# Altium PCB LimeSDR-Micro_1v1.PcbDoc (part 2 of 9) (continued)
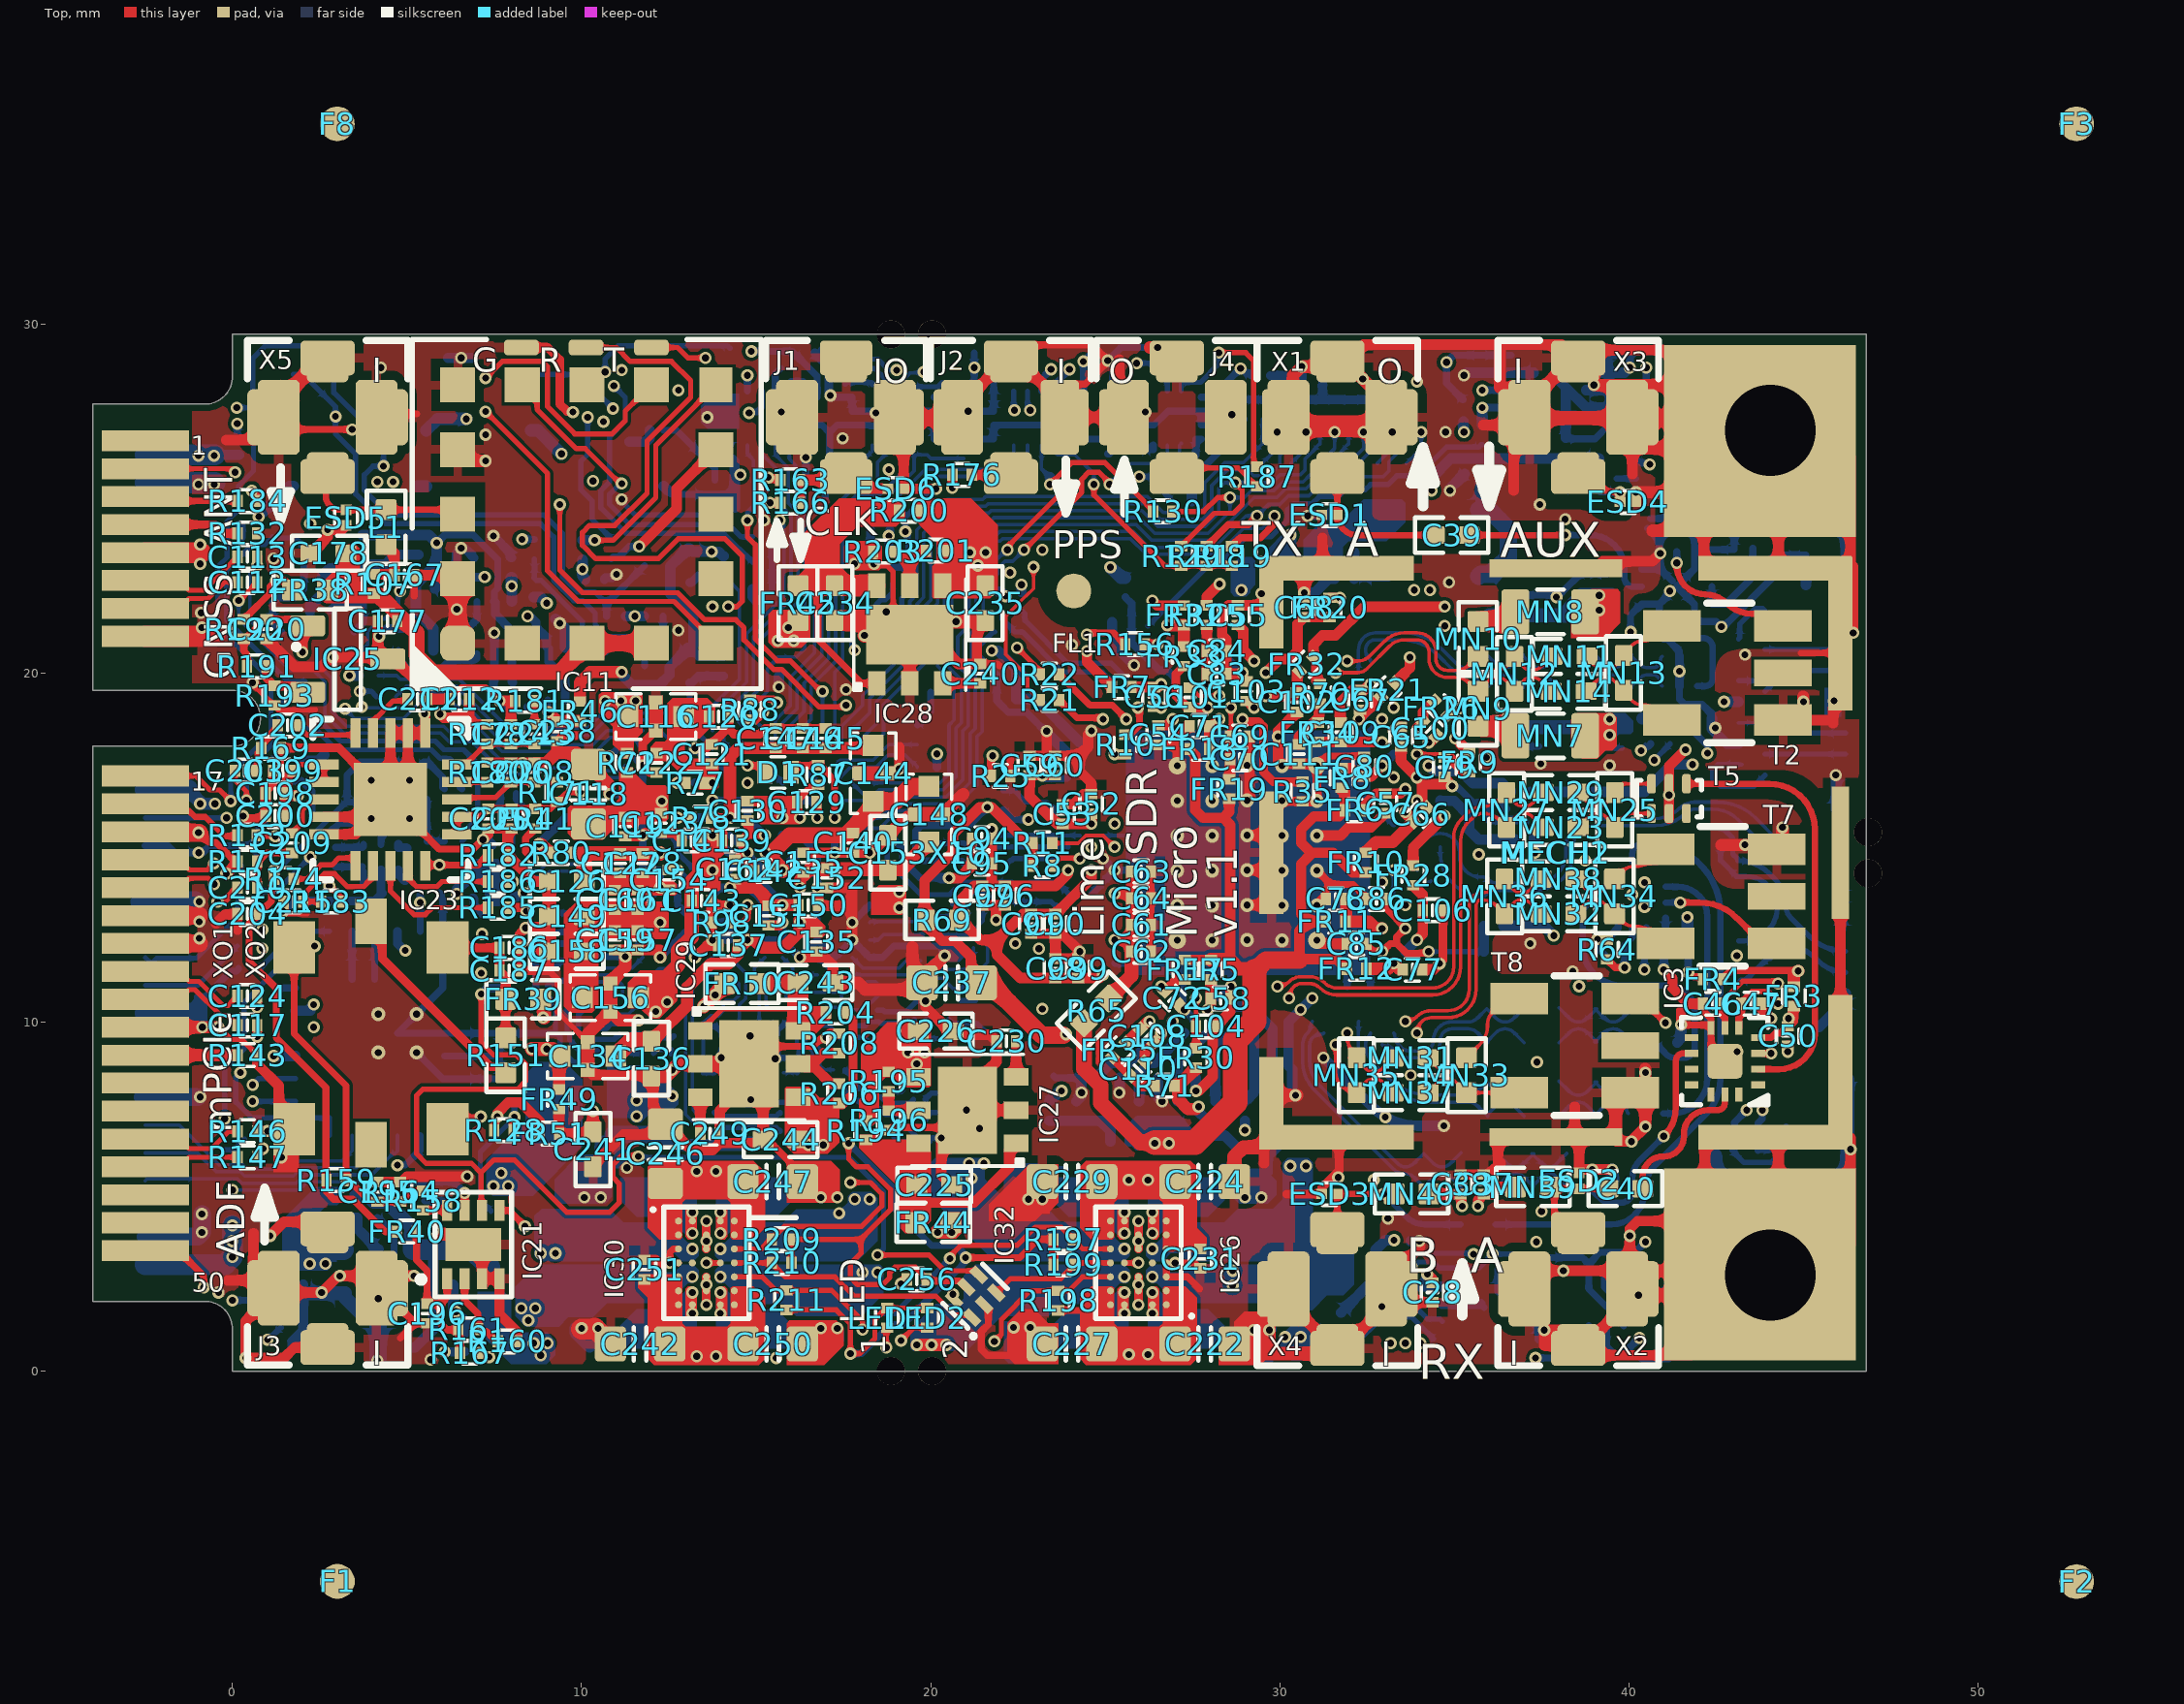
[diagram p0: Top view]
## Footprints (in the part's own frame and the unit in brackets; to place one, negate y for a bottom-side part, rotate by r counter-clockwise, add the part's x,y. Pads: shape width x height; smd on the part's side, far side on the other; paste and mask are expansions set on the pad) (continued)
  silkscreen extent -2.3,-2.2 2.3,-1.1, body extent -1.5,-1.55 1.5,1.55, height 1.25
MMCX_UFL_conn_u_v2#4 [mm] "Less silkscreen"
  rrect25% 1.55x1 smd mask+0.05: 1(0,1.7) 2(0,-1.7)
  rrect25% 1.2x1.2 smd mask+0.05: 1(0,1.6) 2(0,-1.6)
  rrect25% 0.6x1.6 smd mask+0.05: 2(-1.7,0)
  rrect25% 1.2x2.15 smd mask+0.05: 2(-1.4,0) 2(1.4,0)
  rrect25% 1.05x1.6 smd mask+0.05: 2(1.7,0)
  silkscreen extent -2.3,-2.2 2.3,-1.1, body extent -1.5,-1.55 1.5,1.55, height 1.25
MMCX_UFL_conn_u_v2#5 [mm] "Less silkscreen"
  rrect25% 1.55x1 smd mask+0.05: 1(0,1.7) 2(0,-1.7)
  rrect25% 1.2x1.2 smd mask+0.05: 1(0,1.6) 2(0,-1.6)
  rrect25% 1.2x1.6 smd mask+0.05: 2(-1.7,0)
  rrect25% 1.2x2.15 smd mask+0.05: 2(-1.4,0) 2(1.4,0)
  rrect25% 0.9x1.6 smd mask+0.05: 2(1.7,0)
  silkscreen extent -2.3,-2.2 2.3,-1.1, body extent -1.5,-1.55 1.5,1.55, height 1.25
Molex_0788641001_spring_contacts [mm]
  rrect50% 1.3x1.85 smd paste-5: 1(-1.6,1.9) 2(0,1.9) 3(1.6,1.9) 4(1.6,-1.9) 5(0,-1.9) 6(-1.6,-1.9)
  silkscreen extent -2.5,-3.1 2.5,3.1, body extent -2.4,-2.48 2.4,2.52, height 2
MOLEX_0788641001_SPRING_CONTACTS [mm]
  rrect50% 1.3x1.85 smd paste-5: 1(-1.6,1.9) 2(0,1.9) 3(1.6,1.9) 4(1.6,-1.9) 5(0,-1.9) 6(-1.6,-1.9)
  silkscreen extent -2.5,-3.1 2.5,3.1, body extent -2.4,-2.48 2.4,2.52, height 2
PCIe_MiniCard [mm]
  rect 5.5x5.5 hole 2.6 copper offset 0.3,-0.3 paste-2 mask+0: 0(-8.25,48.05)
  rect 5.5x5.5 hole 2.6 copper offset -0.3,-0.3 paste-2 mask+0: 0(15.95,48.05)
  rect 0.6x2.5 smd paste-2: 1(-7.95,1.5) 3(-7.15,1.5) 5(-6.35,1.5) 7(-5.55,1.5) 9(-4.75,1.5) 11(-3.95,1.5) 13(-3.15,1.5) 15(-2.35,1.5) 17(1.65,1.5) 19(2.45,1.5) 21(3.25,1.5) 23(4.05,1.5) 25(4.85,1.5) 27(5.65,1.5) 29(6.45,1.5) 31(7.25,1.5) 33(8.05,1.5) 35(8.85,1.5) 37(9.65,1.5) 39(10.45,1.5) 41(11.25,1.5) 43(12.05,1.5) 45(12.85,1.5) 47(13.65,1.5) 49(14.45,1.5) 51(15.25,1.5)
  rect 0.6x2.5 smd far side paste-2: 2(-7.55,1.5) 4(-6.75,1.5) 6(-5.95,1.5) 8(-5.15,1.5) 10(-4.35,1.5) 12(-3.55,1.5) 14(-2.75,1.5) 16(-1.95,1.5) 18(2.05,1.5) 20(2.85,1.5) 22(3.65,1.5) 24(4.45,1.5) 26(5.25,1.5) 28(6.05,1.5) 30(6.85,1.5) 32(7.65,1.5) 34(8.45,1.5) 36(9.25,1.5) 38(10.05,1.5) 40(10.85,1.5) 42(11.65,1.5) 44(12.45,1.5) 46(13.25,1.5) 48(14.05,1.5) 50(14.85,1.5) 52(15.65,1.5)
RAKON_RPT7050A [mm] "Rakon's Pluto+ ASIC"
  rect 1.5x1.2 smd: 1(2.45,2.2) 2(-2.75,2.2) 4(-2.75,-2.2) 5(2.45,-2.2)
  rect 1.3x0.9 smd: 3(-3.2,0) 6(3.2,0)
  body extent 4.15,1.8 4.25,1.9, height 0.1
RAKON_TXCO [mm] "30.72 MHz or 61.44 MHz"
  rect 1.5x1.2 smd: 1(2.45,2.2) 2(-2.75,2.2) 3(-2.75,-2.2) 4(2.45,-2.2)
  body extent -3.5,-2.3 3.2,2.3, height 2.4
RB521S-30L2-TP_DFN1006 [mm]
  rect 0.44x0.65 smd mask+0.05: A(-0.375,0) C(0.375,0)
  silkscreen extent -0.2,-0.45 0.2,0.45, body extent -0.5,-0.3 0.5,0.3, height 0.48
RES0201 [mm]
  rect 0.3x0.35 smd mask+0.05: 1(-0.28,0) 2(0.28,0)
  silkscreen extent -0.2,-0.33 0.2,0.33, body extent -0.3,-0.15 0.3,0.15, height 0.25
RES0402#1 [mm] "Chip Resistor, Body 1.0x0.5mm, EIA 0402, IPC Medium Density"
  round 0.2 on Mech15: 0(0,0)
  rrect20% 0.6x0.6 smd: 1(-0.5,0) 2(0.5,0)
  Top pour cut-out: -0.2,0.35 0.2,0.35 0.2,-0.35 -0.2,-0.35
  silkscreen extent -1.05,-0.55 1.05,0.55, body extent -0.52,-0.27 0.53,0.28, height 0.4
RES0402#2 [mm] "Chip Resistor, Body 1.0x0.5mm, EIA 0402, IPC Medium Density"
  round 0.2 on Mech14: 0(0,0)
  rrect20% 0.6x0.6 smd: 1(-0.5,0) 2(0.5,0)
  Top pour cut-out: -0.2,0.35 0.2,0.35 0.2,-0.35 -0.2,-0.35
  silkscreen extent -1.05,-0.55 1.05,0.55, body extent -0.52,-0.27 0.53,0.28, height 0.4
RES0805#1 [mm] "Chip Resistor, Body 2.0x1.2mm, 0805, IPC Medium Density"
  round 0.254 on Mech14: 0(0,0)
  rrect25% 0.8x1.3 smd: 1(-1,0) 2(1,0)
  Top pour cut-out: -0.6,0.75 0.6,0.75 0.6,-0.75 -0.6,-0.75
  silkscreen extent -0.38,-0.64 0.38,0.64, body extent -1.1,-0.67 1.1,0.68, height 0.69
RES0805#2 [mm] "Chip Resistor, Body 2.0x1.2mm, 0805, IPC Medium Density"
  round 0.254 on Mech15: 0(0,0)
  rrect25% 0.8x1.3 smd: 1(-1,0) 2(1,0)
  Top pour cut-out: -0.6,0.75 0.6,0.75 0.6,-0.75 -0.6,-0.75
  silkscreen extent -0.38,-0.64 0.38,0.64, body extent -1.1,-0.67 1.1,0.68, height 0.69
RES01005 [mm]
  rect 0.15x0.215 smd paste+0 mask+0.03: 1(-0.165,0) 2(0.165,0)
  silkscreen extent -0.13,-0.23 0.13,0.23, body extent -0.2,-0.1 0.2,0.1, height 0.14
SKY13330-397LF_RF_SW_QFN12 [mm]
  rrect30% 0.45x0.2 smd mask+0.05: 1(-1,0.5) 2(-1,0) 3(-1,-0.5) 7(1,-0.5) 8(1,0) 9(1,0.5)
  rrect30% 0.2x0.45 smd mask+0.05: 4(-0.5,-1) 5(0,-1) 6(0.5,-1) 10(0.5,1) 11(0,1) 12(-0.5,1)
  rrect30% 0.8x0.8 smd mask+0.05: EP(0,0)
  silkscreen extent -1.2,-1.2 1.2,1.2, body extent -1,-1 1,1, height 0.56
SKY13414-485LF_RF_SW_QFN14 [mm]
  rect 0.395x0.2 smd paste+0 mask+0.05: 1(-0.953,0.675) 2(-0.953,0.225) 3(-0.953,-0.225) 4(-0.953,-0.675) 8(0.953,-0.675) 9(0.953,-0.225) 10(0.953,0.225) 11(0.953,0.675)
  rect 0.2x0.395 smd paste+0 mask+0.05: 5(-0.4,-0.953) 6(0,-0.953) 7(0.4,-0.953) 12(0.4,0.953) 13(0,0.953) 14(-0.4,0.953)
  rrect30% 1x1 smd paste+0 mask+0.05: EP(0,0)
  silkscreen extent -1.24,-1.25 1.24,1.25, body extent -1.25,-1.25 1.25,1.25, height 0.25
SN74AVC1T45DRLR_SOT-5X3 [mm]
  rrect33% 0.7x0.3 smd mask+0.05: 1(-0.75,0.5) 2(-0.75,0) 3(-0.75,-0.5) 4(0.75,-0.5) 5(0.75,0) 6(0.75,0.5)
  silkscreen extent -0.82,-0.85 0.2,0.92, body extent -0.82,-0.8 0.78,0.8, height 0.6
SN74AVC4T774_v1 [mm] "PQFN, 16-Leads, Body 2,60x1,80mm, Pitch 0,40mm, IPC Medium Density"
  rect 0.2x0.75 smd mask+0.05: 1(-0.6,-0.725)
  rect 0.2x0.65 smd mask+0.05: 2(-0.2,-0.775) 3(0.2,-0.775) 4(0.6,-0.775) 9(0.6,0.775) 10(0.2,0.775) 11(-0.2,0.775) 12(-0.6,0.775)
  rect 0.65x0.2 smd mask+0.05: 5(1.175,-0.6) 6(1.175,-0.2) 7(1.175,0.2) 8(1.175,0.6) 13(-1.175,0.6) 14(-1.175,0.2) 15(-1.175,-0.2) 16(-1.175,-0.6)
  silkscreen extent -1.53,-1.2 1.53,1.2, body extent -1.33,-0.93 1.32,0.92, height 0.55
SOT23-3_v3 [mm] "SOT23, 3 pin"
  round 0.5 on Mech15: 0(0,0)
  rrect25% 1x0.6 smd: 1(-1.15,0.95) 2(-1.15,-0.95) 3(1.15,0)
  silkscreen extent -1.5,-1.45 0.38,1.45, body extent -1.4,-1.45 1.4,1.45, height 1.29
SOT23-5_NO_SILK [mm]
  round 0.5 on Mech14: 0(0,0)
  rrect25% 1x0.6 smd: 1(-1.3,0.95) 2(-1.3,0) 3(-1.3,-0.95) 4(1.3,-0.95) 5(1.3,0.95)
  silkscreen extent -1.35,1.52 -1.24,1.64, body extent -1.4,-1.45 1.4,1.45, height 1.44
SOT523 [mm]
  rrect25% 0.6x0.5 smd: D(0.645,0) G(-0.645,0.49) S(-0.645,-0.49)
  silkscreen extent -1.2,-1 1.2,1.5, body extent -0.8,-0.8 0.8,0.8, height 0.8
TC1-1-13MA+_JA4220-AL_ [mm] "Balun compatible with TC1-1-13MA+ and JA4220-AL_"
  rect 0.9x1.65 smd: 1(-1.345,1.59) 3(1.345,1.59) 4(1.345,-1.59) 6(-1.345,-1.59)
  rect 0.76x1.65 smd: 2(0,1.59)
  silkscreen extent -2,-0.6 2,0.7, body extent -1.27,-1.61 1.28,1.61, height 2.8
TMP1075NDRLR_TEMPERATURE_SENSOR_SOT563 [mm]
  rrect50% 0.7x0.3 smd mask+0.05: 1(-0.75,0.5) 2(-0.75,0) 3(-0.75,-0.5) 4(0.75,-0.5) 5(0.75,0) 6(0.75,0.5)
  silkscreen extent -1.3,-1 1.3,1, body extent -0.81,-0.8 0.81,0.8, height 0.58
TP_PAD_1MM [mm]
  round 1 smd paste-1 mask+0.05: 1(0,0)
  silkscreen extent -0.65,-0.65 0.65,0.65

## Part data
C1 C2 C3 C4 C5 C6 C9 C11 C14 C16 C19 C21 C24 C26: library part Cap_0402, Manufacturer=Murata, Manufacturer Part Number 1=GRM0225C1E4R7BA03L, Supplier Part Number 1=490-13585-1-ND, ComponentLink1Description=https://search.murata.co.jp/Ceramy/image/img/A01X/G101/ENG/GRM0225C1E4R7BA03-01.pdf?src-supplier=Digi-Key, ComponentLink1URL=https://search.murata.co.jp/Ceramy/image/img/A01X/G101/ENG/GRM0225C1E4R7BA03-01.pdf?src-supplier=Digi-Key, ComponentLink2Description=http://search.murata.co.jp/Ceramy/image/img/A01X/partnumbering_e_01.pdf?src-supplier=Digi-Key, ComponentLink2URL=http://search.murata.co.jp/Ceramy/image/img/A01X/partnumbering_e_01.pdf?src-supplier=Digi-Key, Part Description="CAP CER 4.7PF 25V C0G/NP0 01005", Pricing 1="1=0,1, 10=0,046, 50=0,0266, 100=0,0206, 500=0,0155, 1000=0,01218, 2500=0,01107, 5000=0,01019 (USD)", RoHS=Yes, Stock 1=72879, Supplier 1=Digi-Key
C7 C169 C170 C171 C176 C212 C213 C214 C215: library part Cap_0402, Capacitance=22pF, Case/Package=0201, Case Code (Metric)=0603, Dielectric=C0G, Manufacturer=Murata, Manufacturer Part Number 1=GRM0335C1H220JA01D, Max Operating Temperature=125°C, Min Operating Temperature=-55°C, Package Quantity=15000, Supplier Part Number 1=490-6123-1-ND, Tolerance=5%, Voltage=50V, Case Code (Imperial)=0201, ComponentLink1Description=https://datasheet.ciiva.com/6271/partnumbering-e-01-6271146.pdf?src-supplier=Digi-Key, ComponentLink1URL=https://datasheet.ciiva.com/6271/partnumbering-e-01-6271146.pdf?src-supplier=Digi-Key, ComponentLink2Description=https://datasheet.ciiva.com/6271/partnumbering-e-01-6271143.pdf?src-supplier=Digi-Key, ComponentLink2URL=https://datasheet.ciiva.com/6271/partnumbering-e-01-6271143.pdf?src-supplier=Digi-Key, ComponentLink3Description=https://datasheet.ciiva.com/6271/partnumbering-e-01-6271149.pdf?src-supplier=Digi-Key, ComponentLink3URL=https://datasheet.ciiva.com/6271/partnumbering-e-01-6271149.pdf?src-supplier=Digi-Key, Depth=0.3mm, Height=0.3mm, Lead Free="Lead Free", Length=0.6mm, Mount="Surface Mount", Packaging="Tape and Reel", Part Description="22 pF ±5% 50V Ceramic Capacitor C0G, NP0 0201 (0603 Metric)", Pricing 1="1=0,10000, 10=0,01300, 50=0,00720, 100=0,00590, 500=0,00424, 1000=0,00333, 2500=0,00303, 5000=0,00279 (USD)", RoHS=Yes, RoHS Compliant=Yes, Series=GRM, Stock 1=2966748, Supplier 1=Digi-Key, Termination=SMD/SMT, Thickness=0.013inch, Voltage Rating=50V, Voltage Rating (DC)=50V, Width=0.012inch
C8 C12 C13 C17 C18 C22 C23 C27: library part Cap_0402, Case/Package=Molded, Case Code (Imperial)=1005, Case Code (Metric)=0402, Manufacturer=Panasonic, Manufacturer Part Number 1=ERJ-XGN0R00Y, Max Operating Temperature=125°C, Max Power Dissipation=30mW, Min Operating Temperature=-55°C, Package Quantity=1, Power Rating=31.25mW, Resistance Tolerance=1%, Resistor Type="Thick Film", Supplier Part Number 1=P0.0AWCT-ND, Temperature Coefficient=-100ppm/°C, Tolerance=5%, Voltage Rating=15V, ComponentLink1Description=http://www.yageo.com/documents/recent/PYu-RC_Group_51_RoHS_L_7.pdf, ComponentLink1URL=http://www.yageo.com/documents/recent/PYu-RC_Group_51_RoHS_L_7.pdf, ComponentLink2Description=https://datasheet.ciiva.com/7672/1563626-7672248.pdf?src-supplier=Element14, ComponentLink2URL=https://datasheet.ciiva.com/7672/1563626-7672248.pdf?src-supplier=Element14, ComponentLink3Description=https://datasheet.ciiva.com/7672/1563626-7672247.pdf?src-supplier=Element14, ComponentLink3URL=https://datasheet.ciiva.com/7672/1563626-7672247.pdf?src-supplier=Element14, ComponentLink4Description=https://datasheet.ciiva.com/7660/1421516-7660808.pdf?src-supplier=Element14, ComponentLink4URL=https://datasheet.ciiva.com/7660/1421516-7660808.pdf?src-supplier=Element14, ComponentLink5Description=https://datasheet.ciiva.com/46391/1421516-46391340.pdf?src-supplier=Element14, ComponentLink5URL=https://datasheet.ciiva.com/46391/1421516-46391340.pdf?src-supplier=Element14, ComponentLink6Description=https://datasheet.ciiva.com/5959/aoa0000ce2-5959897.pdf?src-supplier=Farnell, ComponentLink6URL=https://datasheet.ciiva.com/5959/aoa0000ce2-5959897.pdf?src-supplier=Farnell, ComponentLink7Description=https://datasheet.ciiva.com/7753/1678782-7753973.pdf?src-supplier=Element14, ComponentLink7URL=https://datasheet.ciiva.com/7753/1678782-7753973.pdf?src-supplier=Element14, ComponentLink8Description=https://datasheet.ciiva.com/22765/1678782-22765015.pdf?src-supplier=Farnell, ComponentLink8URL=https://datasheet.ciiva.com/22765/1678782-22765015.pdf?src-supplier=Farnell, ComponentLink9Description=https://datasheet.ciiva.com/22667/1678782-22667862.pdf?src-supplier=Element14, ComponentLink9URL=https://datasheet.ciiva.com/22667/1678782-22667862.pdf?src-supplier=Element14, ComponentLink10Description=https://datasheet.ciiva.com/24055/aoa0000ce1-37422-24055061.pdf?src-supplier=Mouser, ComponentLink10URL=https://datasheet.ciiva.com/24055/aoa0000ce1-37422-24055061.pdf?src-supplier=Mouser, ComponentLink11Description=https://datasheet.ciiva.com/9199/aoa0000ce1-9199022.pdf?src-supplier=Avnet, ComponentLink11URL=https://datasheet.ciiva.com/9199/aoa0000ce1-9199022.pdf?src-supplier=Avnet, ComponentLink12Description=https://datasheet.ciiva.com/30177/4aoa0000ce1-30177151.pdf?src-supplier=Onlinecomponents.com, ComponentLink12URL=https://datasheet.ciiva.com/30177/4aoa0000ce1-30177151.pdf?src-supplier=Onlinecomponents.com, ComponentLink13Description=https://datasheet.ciiva.com/29928/aoa0000ce1-29928300.pdf?src-supplier=Avnet, ComponentLink13URL=https://datasheet.ciiva.com/29928/aoa0000ce1-29928300.pdf?src-supplier=Avnet, Construction=Rectangular, Contact Plating=Tin, Depth=0.2mm, Height=0.006inch, Length=0.4mm, Military Standard=Not, Mount="Surface Mount", Number of Pins=2, Number of Terminations=2, Packaging="Tape and Reel", Part Description="RES SMD 0 OHM JUMP 1/32W 01005", Pricing 1="1=0,16, 10=0,13, 25=0,0992, 50=0,072, 100=0,0507, 250=0,041, 500=0,0323, 1000=0,02236, 5000=0,01863 (USD)", Radiation Hardening=No, Reach SVHC Compliant=Unknown, Resistance=0R, RoHS=Yes, RoHS Compliant=Yes, Series=ERJ, Stock 1=2498826, Supplier 1=Digi-Key, Termination=SMD/SMT, Voltage Rating (DC)=15V, Width=0.2mm
C10 C15 C20 C25: library part Cap_0402, Capacitance=22pF, Dielectric=C0G, Manufacturer=Murata, Manufacturer Part Number 1=GRM0225C1H220JA02L, Supplier Part Number 1=490-GRM0225C1H220JA02LCT-ND, Tolerance=5%, Voltage Rating (DC)=50V, Assembly Info=NF, Length=400um, Part Description="22pF ±5% 50V C0G, NP0 Ceramic Capacitor -55°C ~ 125°C Surface Mount, MLCC 0402 (1005 Metric) 0.039\" L x 0.020\" W (1.00mm x 0.50mm)", Pricing 1="1=0,1, 10=0,028, 50=0,016, 100=0,0125, 500=0,00938, 1000=0,00736, 2500=0,0067, 5000=0,00616 (USD)", RoHS=Yes, RoHS Compliant=Yes, Stock 1=33525, Supplier 1=Digi-Key, Thickness=200um, Width=200um
C28 C52 C54 C55 C56 C57 C58 C59 C61 C63 C65 C66 C67 C68 C70 C71 C72 C73 C74 C75 C76 C77 C78 C79 C80 C81 C82 C84 C85 C86 C87 C88 C89 C91 C93 C95 C97 C99 C100 C101 C102 C103 C104 C105 C106 C107 C108 C109 C110 C111 C127 C138 C150 C187 C238 C239 C254 C255: library part Cap_0402, Capacitance=1.0µF, Manufacturer="TDK Corporation", Manufacturer Part Number 1=JMK063ABJ105MP-F, Operating Temperature="-55°C ~ 85°C", Package / Case="0201 (0603 Metric)", Ratings=-, Supplier Part Number 1=587-5864-2-ND, Temperature Coefficient=X5R, Tolerance=±20%, Voltage - Rated=6.3V, Applications="General Purpose", Category=Capacitors, Features=-, Height - Seated (Max)=-, Lead Spacing=-, Lead Style=-, Mounting Type="Surface Mount, MLCC", Packaging="Cut Tape (CT)", Part Description="1µF ±20% 6.3V X5R Ceramic Capacitor -55°C ~ 85°C Surface Mount, MLCC 0201 (0603 Metric) 0.024\" L x 0.012\" W (0.60mm x 0.30mm)", RoHS="RoHS Compliant", Size / Dimension="0.024\" L x 0.012\" W (0.60mm x 0.30mm)", Supplier 1=Digi-Key, Thickness (Max)=-
C29 C30 C33 C34 C132 C177 C198 C199 C200 C202 C203 C204 C205 C206 C211 C221 C230 C240 C249: library part Cap_0402, Capacitance=100pF, Case/Package=0201, Case Code (Metric)=0603, Dielectric=C0G, Dielectric Material=Ceramic, Insulation Resistance=10GR, Manufacturer=TDK, Manufacturer Part Number 1=C0603C0G1H101J030BA, Max Operating Temperature=125°C, Min Operating Temperature=-55°C, Package Quantity=1, Supplier Part Number 1=445-1786-1-ND, Tolerance=5%, Voltage=50V, Case Code (Imperial)=0201, ComponentLink1Description=https://datasheet.ciiva.com/24217/c0603c0g1h101j030ba-264106-24217425.pdf?src-supplier=Mouser, ComponentLink1URL=https://datasheet.ciiva.com/24217/c0603c0g1h101j030ba-264106-24217425.pdf?src-supplier=Mouser, ComponentLink2Description=https://datasheet.ciiva.com/16205/mlcc-commercial-general-en-16205590.pdf?src-supplier=Future+Electronics, ComponentLink2URL=https://datasheet.ciiva.com/16205/mlcc-commercial-general-en-16205590.pdf?src-supplier=Future+Electronics, ComponentLink3Description=https://datasheet.ciiva.com/6250/tdkmlcccaprange-6250351.pdf?src-supplier=Digi-Key, ComponentLink3URL=https://datasheet.ciiva.com/6250/tdkmlcccaprange-6250351.pdf?src-supplier=Digi-Key, Construction=Flat, Depth=0.3mm, Height=0.3mm, Lead Free="Lead Free", Length=0.6mm, Mount="Surface Mount", Number of Pins=2, Packaging="Tape and Reel", Part Description="100 pF ±5% 50V Ceramic Capacitor C0G, NP0 0201 (0603 Metric)", Pricing 1="1=0,10000, 10=0,06000, 50=0,03280, 100=0,02670, 500=0,01908, 1000=0,01500, 2500=0,01364, 5000=0,01254 (USD)", Reach SVHC Compliant=Yes, RoHS=Yes, RoHS Compliant=Yes, Series=C, Stock 1=367528, Supplier 1=Digi-Key, Termination=SMD/SMT, Thickness=0.013inch, Voltage Rating=50V, Voltage Rating (DC)=50V, Weight=6E-06oz, Width=0.012inch
  C221 C230 C240 C249: Assembly Info=NF
C31 C32 C35 C36 C45 C50 C51 C125 C131 C133 C151 C163 C164 C165 C166 C168 C172 C173 C174 C175 C179 C180 C181 C182 C183 C184 C185 C186 C188 C189 C190 C191 C194 C195 C196 C201 C207 C208 C220 C231 C251 C256: library part Cap_0402, Capacitance=100nF, Case/Package=0201, Case Code (Metric)=0603, Manufacturer=Samsung, Manufacturer Part Number 1=CL03A104MP3NNNC, Max Operating Temperature=85°C, Min Operating Temperature=-55°C, Package Quantity=1, Supplier Part Number 1=1276-1321-1-ND, Tolerance=20%, Voltage Rating=10V, Case Code (Imperial)=0201, ComponentLink5Description=https://datasheet.ciiva.com/25788/cl03a104mp3nnnc-25788272.pdf?src-supplier=Digi-Key, ComponentLink5URL=https://datasheet.ciiva.com/25788/cl03a104mp3nnnc-25788272.pdf?src-supplier=Digi-Key, Length=0.024inch, Mount="Surface Mount", Packaging="Tape and Reel", Part Description="0.1 µF ±20% 10V Ceramic Capacitor X5R 0201 (0603 Metric)", Pricing 1="1=0,10000, 10=0,03000, 50=0,01640, 100=0,01330, 500=0,00950, 1000=0,00747, 2500=0,00679, 5000=0,00625 (USD)", RoHS=Yes, RoHS Compliant=Yes, Series=CL, Stock 1=3817176, Supplier 1=Digi-Key, Thickness=0.013inch, Voltage Rating (DC)=10V, Width=0.012inch
  C220: Assembly Info=NF
C37 C38 C42 C43 C46 C47 C48 C49 C53 C60 C62 C64 C69 C83 C90 C92 C94 C96 C98 C167 C192 C197 C209 C210: library part Cap_0402, Capacitance=1000pF, Manufacturer="TDK Corporation", Manufacturer Part Number 1=C0603X7R1E102K030BA, Operating Temperature="-55°C ~ 125°C", Package / Case="0201 (0603 Metric)", Ratings=-, Supplier Part Number 1=445-7275-1-ND, Temperature Coefficient=X7R, Tolerance=±10%, Voltage - Rated=25V, Applications="General Purpose", Category=Capacitors, Features=-, Height - Seated (Max)=-, Lead Spacing=-, Lead Style=-, Mounting Type="Surface Mount, MLCC", Packaging="Cut Tape (CT)", Part Description="1000pF ±10% 25V X7R Ceramic Capacitor -55°C ~ 125°C Surface Mount, MLCC 0201 (0603 Metric) 0.024\" L x 0.012\" W (0.60mm x 0.30mm)", RoHS="RoHS Compliant", Size / Dimension="0.024\" L x 0.012\" W (0.60mm x 0.30mm)", Supplier 1=Digi-Key, Thickness (Max)="0.013\" (0.33mm)"
C39 C40 C41 C44: library part Cap_0402, Capacitance=510pF, Manufacturer="Murata Electronics North America", Manufacturer Part Number 1=GRM1555C1H511JA01D, Operating Temperature="-55°C ~ 125°C", Package / Case="0402 (1005 Metric)", Ratings=-, Supplier Part Number 1=490-3237-1-ND, Temperature Coefficient="C0G, NP0", Tolerance=±5%, Voltage - Rated=50V, Applications="General Purpose", Category=Capacitors, Features=-, Height - Seated (Max)=-, Lead Spacing=-, Lead Style=-, Mounting Type="Surface Mount, MLCC", Packaging="Cut Tape (CT)", Part Description="510pF ±5% 50V C0G, NP0 Ceramic Capacitor -55°C ~ 125°C Surface Mount, MLCC 0402 (1005 Metric) 0.039\" L x 0.020\" W (1.00mm x 0.50mm)", RoHS="RoHS Compliant", Size / Dimension="0.039\" L x 0.020\" W (1.00mm x 0.50mm)", Supplier 1=Digi-Key, Thickness (Max)="0.022\" (0.55mm)"
C112 C113 C114 C115 C117 C124 C128: library part Cap_0402, Capacitance=220nF, Case/Package=0201, Case Code (Metric)=0603, Dielectric=X5R, Manufacturer=Murata, Manufacturer Part Number 1=GRM033R61A224ME90D, Max Operating Temperature=85°C, Min Operating Temperature=-55°C, Package Quantity=15000, Supplier Part Number 1=490-9984-1-ND, Tolerance=20%, Voltage=10V, Case Code (Imperial)=0201, ComponentLink1Description=http://www.mouser.com/ds/2/281/c02e-2905.pdf?src-supplier=Mouser, ComponentLink1URL=http://www.mouser.com/ds/2/281/c02e-2905.pdf?src-supplier=Mouser, ComponentLink2Description=https://datasheet.octopart.com/GRM033R61A224ME90D-Murata-datasheet-22122223.pdf?src-supplier=Future+Electronics, ComponentLink2URL=https://datasheet.octopart.com/GRM033R61A224ME90D-Murata-datasheet-22122223.pdf?src-supplier=Future+Electronics, ComponentLink3Description=http://search.murata.co.jp/Ceramy/image/img/A01X/G101/ENG/GRM033R61A224ME90-01.pdf?src-supplier=Digi-Key, ComponentLink3URL=http://search.murata.co.jp/Ceramy/image/img/A01X/G101/ENG/GRM033R61A224ME90-01.pdf?src-supplier=Digi-Key, ComponentLink4Description=https://datasheet.octopart.com/GRM033R61A224ME90D-Murata-datasheet-165579666.pdf?src-supplier=TME, ComponentLink4URL=https://datasheet.octopart.com/GRM033R61A224ME90D-Murata-datasheet-165579666.pdf?src-supplier=TME, ComponentLink5Description=https://datasheet.ciiva.com/25788/cl03a104mp3nnnc-25788272.pdf?src-supplier=Digi-Key, ComponentLink5URL=https://datasheet.ciiva.com/25788/cl03a104mp3nnnc-25788272.pdf?src-supplier=Digi-Key, Depth=0.3mm, Height=0.3mm, Lead Free="Lead Free", Length=0.6mm, Material=4241ConductorMaterial, Mount="Surface Mount", Packaging="Tape and Reel", Part Description="0.22 µF ±20% 10V Ceramic Capacitor X5R 0201 (0603 Metric)", Pricing 1="1=0,1, 10=0,026, 50=0,0148, 100=0,0115, 500=0,00866, 1000=0,0068, 2500=0,00618, 5000=0,00569 (USD)", RoHS=Yes, RoHS Compliant=Yes, Series=GRM, Stock 1=689026, Supplier 1=Digi-Key, Termination=SMD/SMT, Thickness=0.013inch, Voltage Rating=10V, Voltage Rating (DC)=10V, Weight=1.2E-05oz, Width=0.012inch
C116 C134 C144 C148 C156: library part Cap_feed_through, Manufacturer=TDK, Manufacturer Part Number 1=YFF18PH0J105MT000N, Supplier Part Number 1=445-3029-1-ND, ComponentLink1Description=http://www.farnell.com/datasheets/2211503.pdf?src-supplier=Farnell, ComponentLink1URL=http://www.farnell.com/datasheets/2211503.pdf?src-supplier=Farnell, ComponentLink2Description=https://product.tdk.com/info/en/catalog/datasheets/3tf_commercial_power_yff-p_en.pdf?ref_disty=digikey&src-supplier=Digi-Key, ComponentLink2URL=https://product.tdk.com/info/en/catalog/datasheets/3tf_commercial_power_yff-p_en.pdf?ref_disty=digikey&src-supplier=Digi-Key, Part Description="1 µF Feed Through Capacitor 6.3V 4 A 12mOhm 0603 (1608 Metric), 4 PC Pad", Pricing 1="1=0,49, 10=0,326, 50=0,2404, 100=0,1957, 500=0,15448, 1000=0,13045 (USD)", RoHS=Yes, Stock 1=22167, Supplier 1=Digi-Key